# Allegro board FH8856v300_APP_BOARD_V1_PCB.brd (continued)
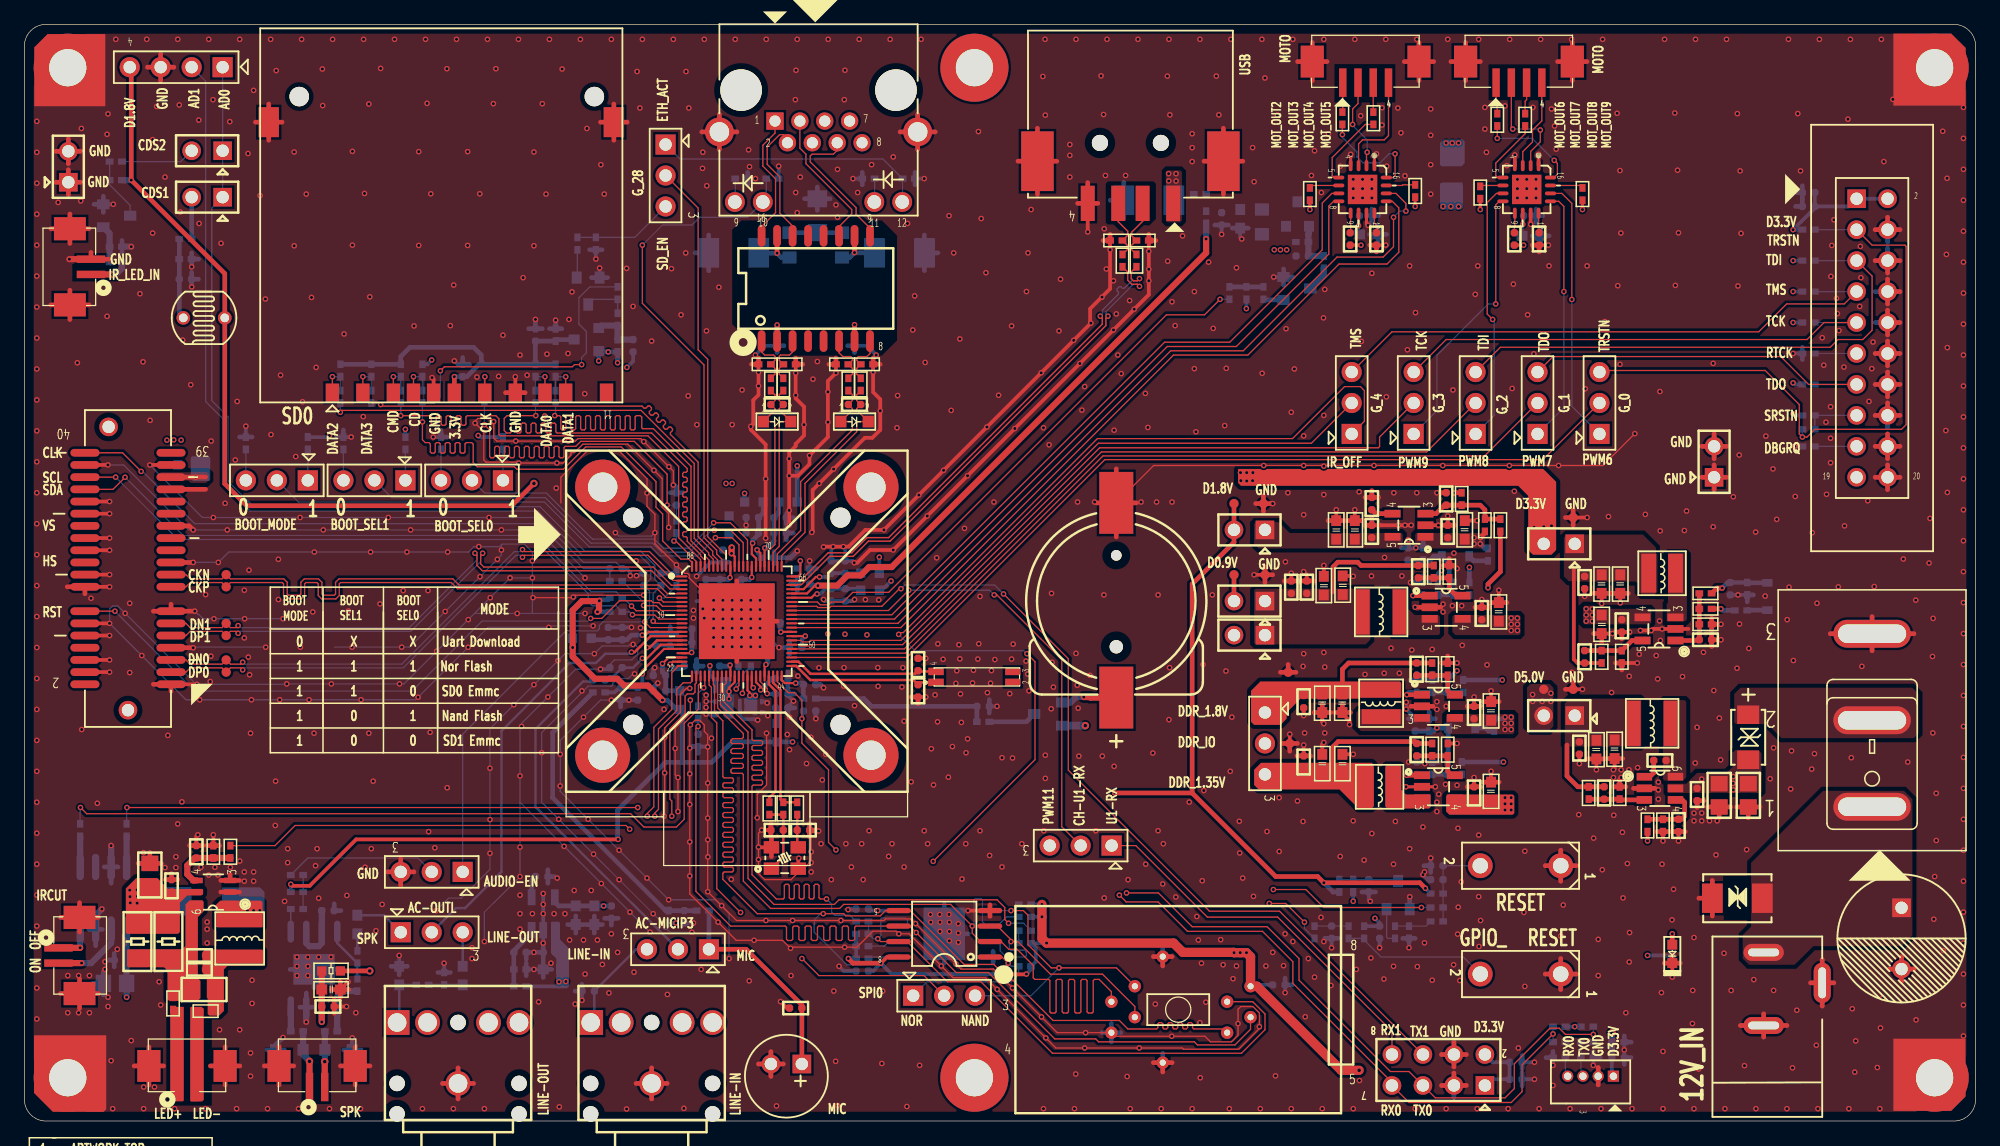
[diagram p0: board, top side]
## Placement (name value [footprint] x y rotation side) (continued)
T15  Mark Point  [C220D120]  156.64 3.56 0 top
T16  Mark Point  [C220D120]  77.9 3.56 0 top
T17  -  [TP30]  103.63 28.45 270 top
T18  -  [TP30]  103.76 30.99 270 top
T19  -  [TP30]  16.55 36.84 90 top
T20  -  [TP30]  16.55 37.84 90 top
T21  -  [TP30]  16.55 39.84 90 top
T22  -  [TP30]  16.55 40.84 90 top
T23  -  [TP30]  16.55 43.84 90 top
T24  -  [TP30]  16.55 44.84 90 top
U1  SY8120B  [SOT23_6]  134.11 27.3 270 top
U2  SY8088AAC  [SOT23_5]  134.04 40.39 90 top
U3  TPS79318DBVR  [SOT23_5]  113.54 48.9 90 top
U4  SY8088AAC  [SOT23_5]  115.95 34.04 270 top
U5  SY8089AAC  [SOT23_5]  116.59 42.16 270 top
U6  Nand Flash Socket  [SOP8_SPI_SOCKET-267X17]  94.61 9.14 0 top
U7  SX32Y024000B91T-U_24MHz 9PF 10ppm  [CRSTALY_3225]  62.36 21.59 0 top
U8  Q13MC1461000600/32.768kHz  [MC-146]  78.11 36.45 0 top
U9  GD25Q127CSIG/W25Q128JVSIQ  [SO8_200MIL]  75.43 15.37 180 top
U10  GD5F1GQ4UCYIG/W25N01GVZEIG  [SOP8-NANDFLASH]  75.43 15.37 180 bottom
U11  TPS79318DBVR  [SOT23_5]  42.55 17.02 180 bottom
U12  SY8088AAC  [SOT23_5]  115.95 27.43 270 top
U13  SGM4871YPS8/TR  [SOIC8-SGM4871]  23.75 12.45 270 bottom
U14  FH8852v101  [QFN88_HL_SOCKET]  58.42 41.02 0 top
U15  CON2x4-254MM  [DIP4X2_254MM]  119.76 2.92 180 top
U16  SY8703  [TSOT23-6]  15.49 18.8 90 top
U18  CON2x10-254MM  [DIP10X2_254MM]  150.24 75.69 0 top
U19  AZ6208BM  [SOP8_127-620X500]  6.48 18.29 90 bottom
U22  MAX809SN160T1/SGM809-RXN3L/TR  [SOT23]  112.65 18.54 180 bottom
U23  H1102NLT  [SOP16_270_50]  64.9 68.33 0 top
U26  HR8833SQ  [QFN16_HR8833]  109.73 76.45 270 top
U27  HR8833SQ  [QFN16_HR8833]  123.19 76.45 270 top

## Library data of the parts
BT1 = BATTERY_0: User Part Number: HAMP; Tolerance: #TOL
C1 C2 C7 C8 C10 C13 C16 C18 C20 C23 C39-C44 = CAP0402: signal model: DEFAULT_CAPACITOR_100000pF_2_1
C3 = ECAP-DIP: signal model: DEFAULT_CAPACITOR_100000pF_2_1
C4 = CAP0805: signal model: DEFAULT_CAPACITOR_100000pF_2_1
C5 = CAP0805: signal model: DEFAULT_CAPACITOR_1000pF_2_1
C6 C11 C17 = CAP0603: signal model: DEFAULT_CAPACITOR_1000pF_2_1
C9 = CAP0603: signal model: DEFAULT_CAPACITOR_1e+006pF_2_1
C12 = CAP0402: signal model: DEFAULT_CAPACITOR_1000pF_2_1
C14 C15 C19 C25 C28 C29 C34 C37 C38 C64 C67 C68 C71 C73 C107 C110 C111 C146 C147 C159 C181 C185 = CAP0603
C21 = CAP0603: signal model: DEFAULT_CAPACITOR_100000pF_2_1
C22 C26 C27 C30-C33 C35 C36 C46-C56 C59-C63 C65 C66 C69 C70 C72 C74 C75 C77-C83 C85-C93 C95-C97 C99-C104 C106 C108 C109 C112-C115 C118 C119 C122-C125 C135 C148-C151 C153-C155 C158 C160-C165 C167 C177 C178 C182-C184 C186-C188 C190 C191 C194-C196 = CAP0402
C24 C45 = CAP0402: signal model: DEFAULT_CAPACITOR_1e+006pF_2_1
C57 C58 C98 C116 C117 C120 C121 = CAP0201: Tolerance: TOLERANCE; User Part Number: USERPART#
C94 C105 C152 = CAP0805
C166 = CAP1206
CN1 CN5 = PHONE
D1 D4 D5 D11 = DIODE
D2 D7-D10 D13-D25 D32 = TVS
D3 = LED0603
D6 = SBD
D12 = LED
D26 = Diode
J1 = DC JACK: User Part Number: HAMP; Tolerance: #TOL
J2 = POWER SWITCH
J3 = MEC1-120-02-F-D-LC: signal model: MAC_MAC
J4 = SD: signal model: SIP4X1_S1X4_254MM
J5 J7 J13 J15 = CONNECT2_125MM
J6 = MIC IN
J12 = CONNECT4_125MM_DIP
J14 = CON4-254MM
J17 = RJ45_LED
J19 J20 = CONNECT4_125MM
J21 = USB-A
JP1-JP4 JP7 JP9-JP12 JP14 JP17 JP19 JP20 JP22 JP23 = JUMP SWITCH
JP5 JP6 JP8 JP13 JP15 JP16 JP18 JP29 JP30 = JUMP
L1-L5 = INDUCTOR
L6 = Inductor
MQ1 MQ3 = AF2301P
Q1 Q3 Q4 = NPN
R1-R3 R19 R21 R23 R38 R42 R44 R45 R54 R55 R73 R74 R78 R80 R81 R84-R90 R93 R94 R98 R99 R101 R104 R105 R107 R108 R111 R122 R124 R125 R127 R132 R134-R139 R142 R144 R145 R159 R163-R165 R168 R176 R179 R207 R211 RF1 RF2 RR2 RR3 = RES0402
R4-R15 R17 R20 R24 R25 R37 R39 R51 R58 R72 R75 R103 R130 R140 R141 R146 R147 R150-R153 R158 R160 R162 R166 R167 R169-R173 R208 R209 = RES0402: signal model: R0603-__0R_1_R0402_22R_22R
R16 R18 R22 R26 R27 R47 R161 = RES0402: signal model: R0603
R28 = RES0603: signal model: R0603
R29 R30 = RES0603: signal model: DEFAULT-sd
R31 = RES0402: signal model: DEFAULT_RESISTOR_47000OHM_2_1
R32 = RES0603: signal model: DEFAULT_RESISTOR_47000OHM_2_1
R33 R41 R68-R71 R77 R79 R143 R203 R204 = RES0402: signal model: DEFAULT
R34 R35 R43 R46 R59-R64 R67 R106 = RES0402: signal model: DEFAULT-sd
R36 = RES0603: signal model: DEFAUL
R40 R48 R49 R52 R76 R102 R129 R131 R133 = RES0402: signal model: RES_R0402_22R_22R
R50 = RES0603: signal model: RES_R0402_22R_22R
R53 = RES0402: signal model: R_0603_0_R0402_DISCRETE_22R_22R
R56 R57 = RES0402: signal model: R_0603_0_R0402_DISCRETE_22_22
R65 R82 = RES0402: signal model: DEFAUL
R66 = RES0402: signal model: R_R0402_22/NC_22/NC
R83 R91 R96 R97 = RES0603
R92 R95 R157 = RES0805
R109 R110 R210 = RES1206: Tolerance: #TOL; User Part Number: HAMP
R174 R177 R178 R181 = RES0402: signal model: RES0402_R0402_10R_1%_10R_1%
S1 S2 = KEY-2PIN
T1-T10 T17-T24 = TP-D1MM
T11-T16 = MARK
U1 = DC-DC-SY8120B: signal model: CON38_0_FPC-S1A36-05MM_CON38_CON38
U2 = DC-DC-SY8088AAC: signal model: FH81_BGA161_SOCKET_FH8810_FH8810
U3 = TPS793XX: signal model: AXK5S80347YG_SOCKET_ASP80_05MM__AXK5S80347YG_Socket
U4 U5 U12 = DC-DC-SY8088AAC
U6 = NAND FLASH_1
U7 = TSX-3225
U8 = MC146
U9 = NOR FLASH: signal model: RTL8169S_1_QFN32_RTL8201F(E)-(V_RTL8201F(E)-(VC)-CG
U10 = NAND FLASH
U11 = TPS793XX
U13 = SGM4871
U14 = FH8852v200_1
U15 = CON2X4-254MM: User Part Number: HAMP; Tolerance: #TOL
U16 = SY8703_1
U18 = CON2X10-254MM
U19 = AZ6208BM: Tolerance: #TOL; User Part Number: HAMP
U22 = SGM809
U23 = H1102NLT
U26 U27 = HR8833

## Footprints (pads in the part's own frame, mm; a bottom-side part is the same pattern mirrored in y, then rotated)
BAT-22_8-10
  round 0.864 hole 1.118 unplated: (-3.75,0)
  round 1.092 hole 1.346 unplated: (3.75,0)
  rect 5.08x2.794 smd: 1(7.92,0) 2(-8.06,0)
C0201
  rect 0.279x0.432 smd: 1(-0.267,0) 2(0.267,0)
C220D120
  round 5.588 hole 3.048: 1(0,0)
C0402
  custom 0.6x0.6 smd: 1(-0.508,0) 2(0.508,0)
C0603
  rect 0.889x0.813 smd: 1(-0.762,0) 2(0.762,0)
C0805
  rect 1.27x1.397 smd: 1(-0.953,0) 2(0.953,0)
C1206
  rect 1.397x1.6 smd: 1(-1.397,0) 2(1.397,0)
CRSTALY_3225
  rect 1.27x1.016 smd: 1(-1.1,-0.875) 2(1.1,-0.875) 3(1.1,0.875) 4(-1.1,0.875)
D0402
  rect 0.635x0.508 smd: A(-0.508,0) K(0.508,0)
DC-3
  oval 3.302x1.397 hole 2.54x0.635: 1(0,0) 2(0,-6)
  oval 1.397x3.302 hole 0.635x2.54: 3(4.8,-2.5)
DE10MM-H16
  rect 1.524x1.524 hole 1.016: 1(-2.515,0)
  round 1.524 hole 1.016: 2(2.515,0)
DIP4X2_254MM
  rect 1.524x1.524 hole 1.016: 1(0,0)
  round 1.524 hole 1.016: 2(0,-2.54) 3(2.54,0) 4(2.54,-2.54) 5(5.08,0) 6(5.08,-2.54) 7(7.62,0) 8(7.62,-2.54)
DIP10X2_254MM
  rect 1.524x1.524 hole 1.016: 1(0,0)
  round 1.524 hole 1.016: 2(2.54,0) 3(0,-2.54) 4(2.54,-2.54) 5(0,-5.08) 6(2.54,-5.08) 7(0,-7.62) 8(2.54,-7.62) 9(0,-10.16) 10(2.54,-10.16) 11(0,-12.7) 12(2.54,-12.7) 13(0,-15.24) 14(2.54,-15.24) 15(0,-17.78) 16(2.54,-17.78) 17(0,-20.32) 18(2.54,-20.32) 19(0,-22.86) 20(2.54,-22.86)
DO-214AA
  rect 1.702x2.413 smd: A(-2.05,0) K(2.05,0)
DO-214AC
  rect 1.524x1.803 smd: A(-1.85,0) K(1.85,0)
DO-214AC-IN5819
  rect 1.575x2.235 smd: A(-2.11,0) K(2.11,0)
GMI6027P-2C
  rect 1.524x1.524 hole 1.016: 1(-1.27,-1)
  round 1.524 hole 1.016: 2(1.27,-1)
HEADER2_125MM_SMD
  rect 0.61x2.337 smd: 1(-0.625,0.381) 2(0.625,0.381)
  rect 1.905x2.616 smd: CG1(-3.125,2.11) CG2(3.125,2.11)
HEADER4_125MM
  rect 0.914x0.914 hole 0.61: 1(0,0)
  round 0.914 hole 0.61: 2(0,-1.25) 3(0,-2.5) 4(0,-3.75)
HEADER4_125MM_SMD
  rect 0.61x2.337 smd: 1(-1.875,0.381) 2(-0.625,0.381) 3(0.625,0.381) 4(1.875,0.381)
  rect 1.905x2.616 smd: CG1(-4.375,2.11) CG2(4.375,2.11)
HEADER20X2_1MM_SMD
  round 1.524 hole 1.016: (0,11.622) (1.588,-11.623)
  oval 2.388x0.635 smd: 1(-3.53,9.5) 2(3.53,9.5) 3(-3.53,8.5) 4(3.53,8.5) 5(-3.53,7.5) 6(3.53,7.5) 7(-3.53,6.5) 8(3.53,6.5) 9(-3.53,5.5) 10(3.53,5.5) 11(-3.53,4.5) 12(3.53,4.5) 13(-3.53,3.5) 14(3.53,3.5) 17(-3.53,1.5) 18(3.53,1.5) 19(-3.53,0.5) 20(3.53,0.5) 21(-3.53,-0.5) 22(3.53,-0.5) 23(-3.53,-1.5) 24(3.53,-1.5) 25(-3.53,-2.5) 26(3.53,-2.5) 27(-3.53,-3.5) 28(3.53,-3.5) 29(-3.53,-4.5) 30(3.53,-4.5) 31(-3.53,-5.5) 32(3.53,-5.5) 33(-3.53,-6.5) 34(3.53,-6.5) 35(-3.53,-7.5) 36(3.53,-7.5) 37(-3.53,-8.5) 38(3.53,-8.5) 39(-3.53,-9.5) 40(3.53,-9.5)
KEY_2PIN
  round 2.032 hole 1.27: 1(0,3.3) 2(0,-3.3)
L3X3H15
  rect 1.219x3.2 smd: 1(-1.1,0) 2(1.1,0)
L4X4H3
  rect 1.118x3.708 smd: 1(-1.5,0) 2(1.5,0)
LED0603
  rect 0.813x0.813 smd: A(-0.756,0) K(0.756,0)
MC-146
  rect 1.27x0.61 smd: 1(-3.35,-0.45) 2(2.95,-0.45) 3(2.95,0.45) 4(-3.35,0.45)
PHONE_JACK
  round 1.27 hole 1.27 unplated: (-5,5) (-5,2.5) (0,-2.5) (5,5) (5,2.5)
  rect 2.032x2.032 hole 1.524: 1(5,-2.5)
  round 2.032 hole 1.524: 2(2.5,-2.5) 3(-2.5,-2.5) 4(-5,-2.5) 5(0,2.5)
PROCONN_SD
  round 1.601 hole 1.6 unplated: (0,0) (24.2,0)
  rect 1.1x1.5 smd: 1(21.48,24.3) 2(18.98,24.3) 3(16.48,24.3) 4(14.83,24.3) 5(13.18,24.3) 6(11.48,24.3) 7(8.98,24.3) 8(6.48,24.3) 9(4.05,24.3) 10(2.35,24.3) 11(-1,24.3)
  rect 1.676x2.464 smd: 15(-1.6,2.1) 16(26.7,2.1)
PS_3PIN-7MM
  oval 6.35x2.286 hole 5.588x1.524: 1(0,7.1) 2(0,0) 3(0,-7.1)
QFN16_HR8833
  oval 0.914x0.305 smd: 1(-1.95,0.975) 2(-1.95,0.325) 3(-1.95,-0.325) 4(-1.95,-0.975) 9(1.95,-0.975) 10(1.95,-0.325) 11(1.95,0.325) 12(1.95,0.975)
  oval 0.305x0.914 smd: 5(-0.975,-1.95) 6(-0.325,-1.95) 7(0.325,-1.95) 8(0.975,-1.95) 13(0.975,1.95) 14(0.325,1.95) 15(-0.325,1.95) 16(-0.975,1.95)
  rect 2.413x2.413 smd: 17(0,0)
QFN88_HL_SOCKET
  round 4.521 hole 2.413: (-11,11) (-11,-11) (11,11) (11,-11)
  round 1.651 hole 1.651 unplated: (-8.5,8.5) (-8.5,-8.5) (8.5,8.5) (8.5,-8.5)
  oval 0.914x0.178 smd: 1(-4.5,3.675) 2(-4.5,3.325) 3(-4.5,2.975) 4(-4.5,2.625) 5(-4.5,2.275) 6(-4.5,1.925) 7(-4.5,1.575) 8(-4.5,1.225) 9(-4.5,0.875) 10(-4.5,0.525) 11(-4.5,0.175) 12(-4.5,-0.175) 13(-4.5,-0.525) 14(-4.5,-0.875) 15(-4.5,-1.225) 16(-4.5,-1.575) 17(-4.5,-1.925) 18(-4.5,-2.275) 19(-4.5,-2.625) 20(-4.5,-2.975) 21(-4.5,-3.325) 22(-4.5,-3.675) 45(4.5,-3.675) 46(4.5,-3.325) 47(4.5,-2.975) 48(4.5,-2.625) 49(4.5,-2.275) 50(4.5,-1.925) 51(4.5,-1.575) 52(4.5,-1.225) 53(4.5,-0.875) 54(4.5,-0.525) 55(4.5,-0.175) 56(4.5,0.175) 57(4.5,0.525) 58(4.5,0.875) 59(4.5,1.225) 60(4.5,1.575) 61(4.5,1.925) 62(4.5,2.275) 63(4.5,2.625) 64(4.5,2.975) 65(4.5,3.325) 66(4.5,3.675)
  oval 0.178x0.914 smd: 23(-3.675,-4.5) 24(-3.325,-4.5) 25(-2.975,-4.5) 26(-2.625,-4.5) 27(-2.275,-4.5) 28(-1.925,-4.5) 29(-1.575,-4.5) 30(-1.225,-4.5) 31(-0.875,-4.5) 32(-0.525,-4.5) 33(-0.175,-4.5) 34(0.175,-4.5) 35(0.525,-4.5) 36(0.875,-4.5) 37(1.225,-4.5) 38(1.575,-4.5) 39(1.925,-4.5) 40(2.275,-4.5) 41(2.625,-4.5) 42(2.975,-4.5) 43(3.325,-4.5) 44(3.675,-4.5) 67(3.675,4.5) 68(3.325,4.5) 69(2.975,4.5) 70(2.625,4.5) 71(2.275,4.5) 72(1.925,4.5) 73(1.575,4.5) 74(1.225,4.5) 75(0.875,4.5) 76(0.525,4.5) 77(0.175,4.5) 78(-0.175,4.5) 79(-0.525,4.5) 80(-0.875,4.5) 81(-1.225,4.5) 82(-1.575,4.5) 83(-1.925,4.5) 84(-2.275,4.5) 85(-2.625,4.5) 86(-2.975,4.5) 87(-3.325,4.5) 88(-3.675,4.5)
  rect 6.223x6.223 smd: 89(0,0)
R0402
  rect 0.635x0.508 smd: 1(-0.508,0) 2(0.508,0)
R0603
  rect 0.762x0.762 smd: 1(-0.762,0) 2(0.762,0)
R0805
  rect 1.016x1.143 smd: 1(-1.016,0) 2(1.016,0)
R1206
  rect 1.397x1.651 smd: 1(-1.397,0) 2(1.397,0)
RGL55
  round 1.118 hole 0.711: A(-1.7,0) K(1.7,0)
RJ45_LED-1
  round 3.404 hole 3.404 unplated: (-2.78,2.54) (9.92,2.54)
  rect 1.422x1.422 hole 0.914: 1(0,0)
  round 1.422 hole 0.914: 2(1.02,-1.78) 3(2.04,0) 4(3.06,-1.78) 5(4.08,0) 6(5.1,-1.78) 7(6.12,0) 8(7.14,-1.78)
  round 1.626 hole 1.118: 9(-3.29,-6.64) 10(-1,-6.64) 11(8.14,-6.64) 12(10.43,-6.64)
  round 2.362 hole 1.6: 13(-4.56,-0.89) 14(11.7,-0.89)
SIP2_254MM
  rect 1.524x1.524 hole 1.016: 1(0,0)
  round 1.524 hole 1.016: 2(2.54,0)
SIP3_254MM
  rect 1.651x1.651 hole 1.016: 1(0,0)
  round 1.651 hole 1.016: 2(2.54,0) 3(5.08,0)
SIP4_254MM
  rect 1.651x1.651 hole 1.016: 1(0,0)
  round 1.651 hole 1.016: 2(2.54,0) 3(5.08,0) 4(7.62,0)
SO8_200MIL
  oval 2.007x0.432 smd: 1(-3.75,1.905) 2(-3.75,0.635) 3(-3.75,-0.635) 4(-3.75,-1.905) 5(3.75,-1.905) 6(3.75,-0.635) 7(3.75,0.635) 8(3.75,1.905)
SOD323
  rect 0.914x0.965 smd: A(-1.125,0) K(1.125,0)
SOD-323
  rect 0.635x0.838 smd: A(1.118,0) K(-1.118,0)
SOIC8-SGM4871
  oval 1.803x0.533 smd: 1(-3.1,1.905) 2(-3.1,0.635) 3(-3.1,-0.635) 4(-3.1,-1.905) 5(3.1,-1.905) 6(3.1,-0.635) 7(3.1,0.635) 8(3.1,1.905)
  rect 2.515x3.404 smd: 9(0,0)
SOP8-NANDFLASH
  oval 1.219x0.406 smd: 1(-4,1.905) 2(-4,0.635) 3(-4,-0.635) 4(-4,-1.905) 5(4,-1.905) 6(4,-0.635) 7(4,0.635) 8(4,1.905)
  rect 3.404x4.318 smd: 9(0,0)
SOP8_127-620X500
  oval 2.159x0.61 smd: 1(-2.565,1.905) 2(-2.565,0.635) 3(-2.565,-0.635) 4(-2.565,-1.905) 5(2.565,-1.905) 6(2.565,-0.635) 7(2.565,0.635) 8(2.565,1.905)
SOP8_SPI_SOCKET-267X17
  round 1.016 hole 0.508: 1(-3.56,1.92) 2(-5.48,0.65) 3(-3.56,-0.62) 4(-5.48,-1.89) 5(4.01,-1.89) 6(5.93,-0.62) 7(4.01,0.65) 8(5.93,1.92) 9(-1.27,4.35) 10(-1.27,-4.35)
SOP16_270_50
  oval 0.635x1.778 smd: 1(-4.445,-4.318) 2(-3.175,-4.318) 3(-1.905,-4.318) 4(-0.635,-4.318) 5(0.635,-4.318) 6(1.905,-4.318) 7(3.175,-4.318) 8(4.445,-4.318) 9(4.445,4.318) 10(3.175,4.318) 11(1.905,4.318) 12(0.635,4.318) 13(-0.635,4.318) 14(-1.905,4.318) 15(-3.175,4.318) 16(-4.445,4.318)
SOT23
  rect 0.813x1.016 smd: 1(-0.95,-1.15) 2(0.95,-1.15) 3(0,1.15)
SOT23_2
  rect 0.813x1.016 smd: 1(0.94,1.145) 2(-0.94,1.145) 3(0,-1.055)
SOT23_5
  rect 0.635x1.321 smd: 1(-0.95,-1.35) 2(0,-1.35) 3(0.95,-1.35) 4(0.95,1.35) 5(-0.95,1.35)
SOT23_6
  rect 0.635x1.27 smd: 1(-0.95,-1.275) 2(0,-1.275) 3(0.95,-1.275) 4(0.95,1.275) 5(0,1.275) 6(-0.95,1.275)
SOT_23
  rect 0.813x0.889 smd: 1(0.94,2.007) 2(-0.94,2.007) 3(0,0)
TP30
  round 0.762 smd: 1(0,0)
TSOT23-6
  rect 0.457x1.016 smd: 1(-0.95,-1.375) 2(0,-1.375) 3(0.95,-1.375) 4(0.95,1.375) 5(0,1.375) 6(-0.95,1.375)
USBX1_SMD
  round 1.321 hole 1.321 unplated: (-1.5,-4.96) (3.5,-4.96)
  rect 1.143x2.896 smd: 1(-2.5,0) 2(0,0) 3(2,0) 4(4.5,0)
  rect 2.667x4.902 smd: CG1(-6.625,-3.46) CG2(8.625,-3.46)

## Nets
D0.9V: C61.1 C88.1 C89.1 C90.1 C91.1 C92.1 C93.1 C191.1 JP15.2 JP16.2 T9.1 U14.19(VDDK_3) U14.32(VDDK_4) U14.40(VDDK_2) U14.53(VDDK_0) U14.74(VDDK_5) U14.79(VDDK_1)
D1.8V: D12.A J14.4 JP18.2 R29.1 R30.2 R32.2 R34.1 R35.1 R36.1 R60.2 R97.2 R131.2 R168.2 R169.1 T4.1
D3.3V: C60.1 C96.1 C100.2 C101.1 C148.1 C150.2 C151.1 C160.1 C194.1 C195.2 D6.2(C2) D8.A J12.1 JP13.2 MQ1.2(SOURCE) R28.2 R42.2 R45.2 R47.2 R52.1 R53.1 R54.2 R55.1 R56.2 R57.2 R59.1 R73.2 R81.1 R83.2 R96.2 R122.2 R124.2 R135.2 R136.2 R137.2 R138.2 R140.2 R141.2 R161.2 R164.1 R167.1 T3.1 U6.8(VCC) U9.8(VCC) U10.8(VCC) U15.1 U15.2 U18.1 U18.2
D5.0V: C11.2 C12.2 C17.2 C18.2 C25.2 C26.2 C34.2 C35.2 C64.2 C65.2 C99.1 C107.2 C109.2 JP8.2 MQ3.2(SOURCE) R7.1 R10.1 R15.1 R18.1 R21.1 R24.1 R44.1 R50.1 R86.1 R91.2 R105.1 R157.1 R159.2 R210.1 T1.1 U2.4(VIN) U3.1(VIN) U4.4(VIN) U5.4(VIN) U11.1(VIN) U12.4(VIN)
D12V: C2.1 C4.1 C5.1 C105.1 C106.1 C152.1 C153.1 D1.K D26.K R1.2 R2.1 R109.1 R110.1 U1.5(VIN) U16.5(IN) U19.1(VCC)
GND: BT1.2(-) C2.2 C3.2 C4.2 C5.2 C6.2 C7.2 C9.2 C10.1 C11.1 C12.1 C14.2 C15.2 C16.2 C17.1 C18.1 C19.2 C20.1 C21.2 C22.2 C23.1 C24.2 C25.1 C26.1 C28.2 C29.2 C30.2 C31.1 C32.2 C33.2 C34.1 C35.1 C37.2 C38.2 C39.2 C40.2 C41.1 C42.2 C43.2 C44.2 C45.1 C46.1 C47.1 C48.2 C49.2 C50.1 C51.2 C52.1 C53.2 C54.2 C55.2 C57.2 C58.2 C59.1 C60.2 C61.2 C62.2 C63.1 C64.1 C65.1 C67.2 C68.2 C69.2 C70.1 C71.1 C72.1 C74.2 C75.2 C77.1 C78.1 C79.1 C80.1 C81.1 C82.1 C83.1 C85.1 C87.2 C88.2 C89.2 C90.2 C91.2 C92.2 C93.2 C97.2 C98.2 C100.1 C101.2 C102.2 C103.2 C104.2 C105.2 C106.2 C107.1 C108.2 C109.1 C110.2 C111.2 C112.2 C113.2 C114.2 C115.2 C116.2 C117.2 C118.1 C119.2 C120.2 C121.2 C122.2 C123.2 C124.2 C125.2 C135.2 C147.2 C148.2 C149.2 C150.1 C151.2 C152.2 C153.2 C158.2 C159.2 C160.2 C161.2 C162.2 C163.2 C164.2 C165.2 C166.1 C167.2 C177.2 C178.2 C181.1 C183.1 C184.1 C185.1 C186.2 C188.2 C190.1 C191.2 C194.2 C195.1 C196.1 CN1.5 CN5.5 D2.A D3.K D7.K D8.K D9.A D10.A D13.K D14.A D15.A D16.A D17.A D18.K D19.A D21.K D22.K D23.A D24.K D25.A J1.2 J1.3 J2.3 J3.1 J3.4 J3.6 J3.7 J3.10 J3.12 J3.13 J3.18 J3.20 J3.21 J3.24 J3.26 J3.27 J3.30 J3.32 J3.33 J3.37 J3.38 J4.5(GND2) J4.8(GND1) J4.15(GND3) J4.16(GND4) J5.CG1 J5.CG2 J6.2 J7.CG1 J7.CG2 J12.2 J13.2 J13.CG1 J13.CG2 J14.3 J15.CG1 J15.CG2 J17.13(SOLDER1) J17.14(SOLDER2) J19.CG1 J19.CG2 J20.CG1 J20.CG2 J21.4(GND) J21.CG1 J21.CG2 JP5.1 JP5.2 JP6.1 JP6.2 JP20.3 Q1.2(E) Q3.2(E) Q4.2(E) R4.1 R5.1 R8.1 R9.1 R11.1 R16.1 R17.1 R19.2 R22.2 R25.1 R26.1 R31.2 R38.1 R43.2 R46.2 R48.2 R49.2 R74.1 R80.2 R84.2 R87.1 R88.1 R104.2 R106.1 R132.1 R134.2 R139.2 R142.2 R173.1 R176.1 R179.1 RF2.1 RR2.1 RR3.1 S1.1 S2.1 T2.1 T5.1 T6.1 T8.1 T10.1 T11.1 T12.1 T13.1 T14.1 T15.1 T16.1 T18.1 U1.2(GND) U2.2(GND) U3.2(GND) U4.2(GND) U5.2(GND) U6.4(GND) U6.9(PAD1) U6.10(PAD2) U7.2 U7.4 U9.4(GND) U10.4(GND) U10.9(PAD) U11.2(GND) U12.2(GND) U13.7(GND) U13.9(PAD) U14.37(GNDA_PLL) U14.89(GND_PAD) U15.3 U15.4 U16.2(GND) U16.3(TM) U18.4 U18.6 U18.8 U18.10 U18.12 U18.14 U18.16 U18.18 U18.20 U19.3(GND#3) U19.7(GND#7) U22.1(GND) U26.1(AISEN) U26.4(BISEN) U26.11(GND) U26.17(PAD) U27.1(AISEN) U27.4(BISEN) U27.11(GND) U27.17(PAD)
VBUS: D17.K J21.1(VCC) R160.2
AC_MICBIAS: C114.1 C135.1 R107.2 U14.18(AC_MICBIAS)
AC_MICIP: C56.2 JP17.2
AC_OUTL: JP23.2 U14.15(AC_OUTL)
AMP+: R94.1 R98.2 U13.5(VO1)
AMP-: R90.1 U13.8(VO2)
ARM_DBGRQ: R142.1 U18.17
ARM_JTAG_TCK: JP9.3 R138.1 U18.9
ARM_JTAG_TDI: JP7.3 R136.1 U18.5
ARM_JTAG_TDO: JP12.3 R140.1 U18.13
ARM_JTAG_TMS: JP10.3 R137.1 U18.7
ARM_JTAG_TRSTN: JP11.3 R135.1 R143.1 U18.3
BOOT_MODE: JP1.2 U14.77(BOOT_MODE/GPIO30)
BOOT_SEL0: JP3.2 U14.75(BOOT_SEL0/GPIO32)
BOOT_SEL1: JP2.2 U14.76(BOOT_SEL1/GPIO31)
CDS1: JP29.2 R129.2
CDS2: JP30.2 R130.1
CH_UART1_RX: JP22.2 U14.58(UART1_RX)
CIS_CLK: C52.2 J3.40 R33.1
CIS_RSTN: J3.14 U14.8(SENSOR_RSTN/GPIO13)
CIS_SCL: J3.36 R34.2 U14.11(I2C0_SCL/GPIO35)
CIS_SDA: J3.34 R35.2 U14.10(I2C0_SDA/GPIO36)
CLK_IN: R39.2 U14.41(CLK_IN)
CLK_OUT: R40.1 R41.2 U14.42(CLK_OUT)
DDR_D1.8V: C27.1 C28.1 C29.1 C30.1 JP19.1 L3.2 R14.2 T7.1
DDR_D1.35V: C66.1 C67.1 C68.1 C69.1 JP19.3 L5.2 R85.2 T17.1
DDR_IO: C48.1 C57.1 C58.1 C98.1 C116.1 C117.1 C120.1 C121.1 JP19.2 U14.33(VDDIO_DDR_18_0) U14.36(VDDIO_DDR_18_1)
E0_CT1: C165.1 U23.2(CT1)
E0_CT2: C167.1 U23.7(CT2)
EN1: C32.1 D4.K R13.1 R19.1 R20.1 R89.1
EN2: C62.1 D11.K R12.1 R84.1
EN3: C33.1 D5.K R22.1 R27.1
EPHY_RXN: C155.2 D32.K R181.2 U14.67(EPHY_RXN)
EPHY_RXP: C155.1 D32.A R178.2 U14.68(EPHY_RXP)
EPHY_TXN: C154.2 D20.K R177.2 U14.69(EPHY_TXN)
EPHY_TXP: C154.1 D20.A R174.2 U14.70(EPHY_TXP)
ETH_ACT: D19.K J17.12(LEDY+) JP4.1
ETH_STA: D23.K J17.10(LEDR+) U14.81(GPIO_29)
GPIO_0: JP11.2 U14.47(GPIO_0)
GPIO_1: JP12.2 U14.48(GPIO_1)
GPIO_2: JP7.2 U14.49(GPIO_2)
GPIO_3: JP9.2 U14.50(GPIO_3)
GPIO_4: JP10.2 U14.51(GPIO_4)
GPIO_28: JP4.2 U14.80(GPIO_28)
GPIO_RESET: R166.2 U14.24(PWM_1)
HOLD: R54.1 R58.1 U6.7(IO3/HOLD) U9.7(/HOLD/IO3) U10.7(IO3/HOLD)
IR_LED_IN: J13.1 R133.2
IRCUT_OFF: JP10.1 R144.2
IRCUT_ON: R145.2 U14.25(PWM_0)
IRCUT_OUT_OFF: J15.1 U19.4(OUT A)
IRCUT_OUT_ON: J15.2 U19.2(OUT B)
IRLED+: J7.1 R99.2
IRLED-: J7.2 R111.2
JTAG_RTCK: R139.1 U18.11
JTAG_SRSTN: R141.1 R143.2 U18.15
LDO_MICBIAS: C110.1 C111.1 C112.1 R103.2 U11.5(VOUT)
MIPI_CKN: J3.19 T24.1 U14.5(MIPI_CKN)
MIPI_CKP: J3.17 T23.1 U14.6(MIPI_CKP)
MIPI_D5.0V: J3.35 R50.2
MIPI_DN0: J3.5 T20.1 U14.1(MIPI_DN0)
MIPI_DN1: J3.11 T22.1 U14.4(MIPI_DN1)
MIPI_DP0: J3.3 T19.1 U14.2(MIPI_DP0)
MIPI_DP1: J3.9 T21.1 U14.3(MIPI_DP1)
MOTO_OUT_2: R150.1 U26.16(AOUT1)
MOTO_OUT_3: J19.2 U26.2(AOUT2)
MOTO_OUT_4: R151.1 U26.5(BOUT1)
MOTO_OUT_5: J19.4 U26.3(BOUT2)
MOTO_OUT_6: R152.1 U27.16(AOUT1)
MOTO_OUT_7: J20.2 U27.2(AOUT2)
MOTO_OUT_8: R153.1 U27.5(BOUT1)
MOTO_OUT_9: J20.4 U27.3(BOUT2)
NAND_CS: JP14.3 R59.2 U6.1(CS) U10.1(CS)
NOR_CS: JP14.1 R52.2 U9.1(/CS)
PHY_RN: J17.6(RX-) U23.9(RX-)
PHY_RP: J17.3(RX+) U23.11(RX+)
PHY_TN: J17.2(TX-) U23.14(TX-)
PHY_TP: J17.1(TX+) U23.16(TX+)
PWM11: JP22.3 R108.1
PWM_2: U14.55(I2C1_SCL) U26.14(AIN1)
PWM_3: U14.54(I2C1_SDA) U26.13(AIN2)
PWM_4: U14.57(UART2_TX) U26.7(BIN1)
PWM_5: U14.56(UART2_RX) U26.8(BIN2)
PWM_6: JP11.1 U27.14(AIN1)
PWM_7: JP12.1 U27.13(AIN2)
PWM_8: JP7.1 U27.7(BIN1)
PWM_9: JP9.1 U27.8(BIN2)
RESETN: C190.2 R172.2 U14.43(RESETN)
RTC_VBAT: C102.1 R37.1 R61.1
RTC_XIN: C79.2 U8.1 U14.45(RTC_XIN)
RTC_XOUT: C81.2 U8.4 U14.46(RTC_XOUT)
SD0_3.3V: C103.1 C104.1 J4.6(VCC) MQ1.3(DRAIN) R64.1 R65.1 R66.1 R67.1 R74.2 R82.1
SD0_CD: R75.1 R77.1 U14.88(SD0_CD)
SD0_CLK: C178.1 R72.1 R204.1
SD0_CMD: R79.1 U14.86(SD0_CMD_RSP)
SD0_DATA_0: R68.1 U14.85(SD0_DATA_0)
SD0_DATA_1: R69.1 U14.84(SD0_DATA_1)
SD0_DATA_2: R70.1 U14.83(SD0_DATA_2)
SD0_DATA_3: R71.1 U14.82(SD0_DATA_3)
SD0_EN: JP4.3 R78.1 R80.1
SPI0_CLK: C177.1 R56.1 R203.1 U6.6(CLK) U9.6(CLK) U10.6(CLK)
SPI0_CSN_0: JP14.2 U14.27(SSI0_CSN_0)
SPI0_D_2: R51.1 U14.30(SSI0_D2)
SPI0_D_3: R58.2 U14.31(SSI0_D3)
SPI0_RXD: R53.2 U6.2(SO/IO1/TXD) U9.2(SO/IO1/TXD) U10.2(SO/IO1/TXD) U14.29(SSI0_RXD)
SPI0_TXD: R57.1 U6.5(IO0/SI/RXD) U9.5(SI/IO0/RXD) U10.5(IO0/SI/RXD) U14.28(SSI0_TXD)
UART0_RX: R122.1 R127.1 U14.22(UART0_RX/GPIO34) U15.7
UART0_TX: R124.1 R125.1 U14.23(UART0_TX/GPIO33) U15.5
UART1_RX: JP22.1 U15.8
UART1_TX: U14.59(UART1_TX) U15.6
USB_DM: R146.1 U14.65(USB_DM)
USB_DP: R147.1 U14.64(USB_DP)
USB_PWREN: R162.1 U14.60(USB_PWREN)
USB_VBUS: C196.2 R158.2 U14.62(USB_VBUS)
USBN: D13.A J21.2(D-) R146.2
USBP: D14.K J21.3(D+) R147.2
VM: C181.2 C182.2 C183.2 C184.2 C185.2 C187.2 R207.1 R208.1 R209.1 R210.2 R211.1 U26.10(VM) U27.10(VM)
WP: R51.2 R55.2 U6.3(WP/IO2) U9.3(/WP/IO2) U10.3(WP/IO2)
XAIN0_SADC: C97.1 J14.1 JP29.1 JP30.1 U14.12(SADC_XAIN0/GPIO26)
XAIN1_SADC: C44.1 J14.2 JP20.1 U14.13(SADC_XAIN1/GPIO27)
N00509: C149.1 D12.K R129.1 R132.2
N00760: J4.9(DATA0) R67.2 R68.2
N00772: J4.10(DATA1) R66.2 R69.2
N00784: J4.1(DATA2) R65.2 R70.2
N00796: J4.2(DATA3) R64.2 R71.2
N00808: J4.7(CLK) R72.2
N00832: J4.4(CARD) R77.2 R81.2
N00844: J4.3(CMD) R79.2 R82.2
N04317: R144.1 U19.8(IN A)
N04321: R145.1 U19.5(IN B)
N04628: D9.K J12.4 R127.2
N04632: D10.K J12.3 R125.2
N05813: C146.2 RF1.1 RF2.2
N05817: C147.1 CN5.1 RF1.2
N06013: R164.2 R165.1 S1.2
N06017: C161.1 R165.2 R166.1
N06505: C163.1 C164.1 R168.1 R171.2 R172.1 S2.2
N06945: R170.2 R171.1 R173.2
N06949: R170.1 U22.2(/RESET)
N07170: C162.1 R167.2 R169.2 U22.3(VCC)
N07819: C158.1 C159.1 MQ3.3(DRAIN) R157.2 R158.1 R160.1
N08066: C3.1 D2.K J1.1 J2.1
N08150: D1.A J2.2
N08491: C99.2 MQ3.1(GATE) R101.2 R159.1
N08611: Q4.1(B) R163.2
N08717: R161.1 R162.2 R163.1
N08811: Q1.3(C) R75.2 R76.1
N09072: D3.A R1.1
N09124: C96.2 MQ1.1(GATE) R73.1 R76.2
N09603: C1.1 U1.1(BS)
N09840: C1.2 L1.1 U1.6(SW)
N09899: C6.1 C7.1 C8.1 C9.1 JP8.1 L1.2 R3.2
N09903: C8.2 R3.1 R5.2 U1.3(FB)
N11558: C20.2 R7.2 R8.2 R12.2 U2.1(EN)
N12312: L2.1 U2.3(LX)
N12324: C13.1 C14.1 C15.1 C16.1 JP13.1 L2.2 R6.2
N12328: C13.2 R6.1 R9.2 U2.5(FB)
N12968: Q3.1(B) R133.1 R134.1
N13141: Q3.3(C) R130.2 R131.1
N15061: C27.2 R14.1 R16.2 U4.5(FB)
N15235: C31.2 R15.2 R17.2 R20.2 U4.1(EN)
N15383: L3.1 U4.3(LX)
N17654: C36.2 R23.1 R26.2 U5.5(FB)
N17828: C41.2 R24.2 R25.2 R27.2 U5.1(EN)
N17960: L4.1 U5.3(LX)
N17964: C36.1 C37.1 C38.1 C39.1 C40.1 JP15.1 JP16.1 L4.2 R23.2
N20335: C23.2 R10.2 R11.2 R13.2 U3.3(EN)
N20515: C19.1 C21.1 C22.1 JP18.1 U3.5(VOUT)
N28498: C10.2 R2.2 R4.2 U1.4(EN)
N36801: C24.1 U3.4(NR)
N41621: D4.A R18.2
N41625: D5.A R21.2
N052210: Q1.1(B) R78.2
N58665: C113.1 R102.2 R103.1 R107.1
N58697: C108.1 J6.1 JP17.1 R102.1
N58961: C118.2 R105.2 R106.2 U11.3(EN)
N59213: C119.1 CN1.1 JP17.3
N59225: C115.1 U11.4(NR)
N071991: Q4.3(C) R101.1
N16425733: J17.9(LEDR-) R179.2
N16425793: J17.11(LEDY-) R176.2
N16425805: C166.2 R92.1 R95.1
N16425817: D24.A R181.1 U23.8(RD-)
N16425841: D22.A R178.1 U23.6(RD+)
N16425857: D21.A R177.1 U23.3(TD-)
N16425869: D18.A R174.1 U23.1(TD+)
N16426003: D15.K R92.2 U23.15(CT4)
N16426121: D16.K R95.2 U23.10(CT3)
N16457705: C82.2 C83.2 C85.2 R83.1 U14.21(VDDIO_18OD33_2) U14.52(VDDIO_18OD33_0) U14.78(VDDIO_18OD33_1)
N16486091: JP3.3 R48.1
N16486095: JP3.1 R47.1
N16486099: JP2.3 R46.1
N16486103: JP2.1 R45.1
N16486107: JP1.3 R43.1
N16486111: JP1.1 R42.1
N16486523: R49.1 U14.72(EPHY_REXT)
N16520538: D6.3(A) R61.2
N16520613: BT1.1(+) D6.1(C1)
N16568818: C187.1 U26.9(VCP)
N16568861: C186.1 U26.12(VINT)
N16569733: R209.2 U26.6(NFAULT)
N16569735: R211.2 U26.15(NSLEEP)
N16571206: C182.1 U27.9(VCP)
N16571226: C188.1 U27.12(VINT)
N16571270: R208.2 U27.6(NFAULT)
N16571274: R207.2 U27.15(NSLEEP)
N16589672: R203.2 U14.26(SSI0_CLK)
N16609598: R204.2 U14.87(SD0_CLK)
N16674187: J19.1 R150.2
N16674222: J19.3 R151.2
N16674257: J20.1 R152.2
N16674292: J20.3 R153.2
N16750026: C71.2 C72.2 R91.1 U13.6(V+)
N16750096: D7.A J5.1 R90.2
N16750100: D25.K J5.2 R94.2
N16750228: C59.2 U13.2(BYPASS) U13.3(+IN)
N16750268: R63.2 U13.1(SHDN)
N16750308: R60.1 R62.2 R63.1
N16750370: R93.2 R98.1 U13.4(-IN)
N16750378: C73.2 R93.1
N16750486: C146.1 JP23.3
N16751027: C73.1 JP23.1
N16751673: JP20.2 R62.1
N16764243: C87.1 R104.1 R108.2 U16.4(EN)
N16764537: C86.1 C94.1 C95.1 R99.1 R109.2 R110.2 U16.6(SEN)
N16764551: D26.A L6.1 U16.1(LX)
N16764573: C86.2 C94.2 C95.2 L6.2 R111.1
N16771686: D11.A R44.2
N16778150: C66.2 R85.1 R88.2 U12.5(FB)
N16778213: C70.2 R86.2 R87.2 R89.2 U12.1(EN)
N16778255: L5.1 U12.3(LX)
N16785770: R38.2 U14.7(MIPI_REXT)
N16786493: R33.2 U14.9(SENSOR_CLK/GPIO12)
N16786550: C47.2 C63.2 R36.2 U14.20(VDDIO_18)
N16786676: C45.2 C50.2 R29.2 U14.39(VDDA18_PLL)
N16786698: C46.2 U14.38(VDDA09_PLL)
N16789313: R31.1 U14.66(USB_REXT)
N16794051: C49.1 C51.1 R30.1 U14.61(VDDIO_18/VDDA18_USB)
N16794071: C42.1 C43.1 R28.1 U14.63(VDDA33_USB)
N16795142: C74.1 C75.1 U14.16(AC_VMID)
N16795478: C77.2 R37.2 U14.44(VDDA33_RTC)
N16795922: C78.2 R39.1 R40.2 U7.1
N16795926: C80.2 R41.1 U7.3
N16800878: C53.1 C54.1 R32.1 U14.14(VDDA18_AC/MIPI/SADC)
N16800900: C55.1 C56.1 U14.17(AC_MICIP)
N16803827: RR3.2 U14.34(DDR_ZQ)
N16803833: RR2.2 U14.35(DDR_CAL)
N16837752: C124.1 C125.1 R97.1 U14.73(VDDIO_18/VDDA18_EPHY)
N16837764: C122.1 C123.1 R96.1 U14.71(VDDA33_EPHY)

Pads without a net: CN1 2 3 4; CN5 2 3 4; J3 2 8 22 23 25 28 29 31 39; J4 11; J17 4 5 7 8; U8 2 3; U18 19; U19 6; U23 4 5 12 13

## Via types
v1: diameter 0.457, hole 0.254, TOP to BOTTOM, 1656 vias
v2: diameter 0.61, hole 0.305, TOP to BOTTOM, 7 vias

## Routing (per net, layer and track width the routed paths; a pad name or vN(x,y) marks a point on that pad's centre or on a via; arc(x,y) is an arc through that point)
D0.9V: length 14.9
  TOP w0.178: v1(54.71,38.46) 54.65,38.4 U14.19 ; v1(57.86,37.41) 57.89,37.38 U14.32 ; U14.40 60.7,37.35 v1(60.81,37.47) ; U14.74 v1(59.65,44.62) ; v1(57.86,44.6) 57.89,44.64 U14.79 ; v1(62.03,40.13) 62.04,40.15 U14.53
  TOP w0.381: T9.1 JP16.2
  BOTTOM w0.381: C191.1 57.78,37.34 v1(57.86,37.41) ; v1(60.81,37.47) 60.96,37.62 C91.1 ; v1(59.65,44.62) 59.47,44.45 C61.1 ; v1(57.86,44.6) 57.71,44.45 C90.1 C93.1 ; C92.1 61.98,40.18 v1(62.03,40.13) ; v1(54.71,38.46) 54.74,38.48 C88.1 C89.1
D1.8V: length 224.8
  TOP w0.305: v1(21.84,19.43) 21.97,19.3 23.39,19.3 27.2,23.11 v1(48.69,23.11)
  TOP w0.381: J14.4 8.76,86.36 v1(8.76,77.22) 16.43,69.55 D12.A 16.43,52.3 18.24,50.5 39.95,50.5 v2(41.78,52.32) ; v1(89.41,26.92) 95.76,26.92 95.76,26.92 ; 95.76,26.92 95.76,44.07 99.19,47.5 JP18.2 T4.1 ; 95.76,26.92 102.61,20.07 106.05,20.07 v1(106.55,19.56) 114.43,19.56 v1(114.88,19.1)
  TOP w0.508: 47.12,42.67 47.12,41.91 v1(46.99,41.78) ; 47.12,42.67 v1(47.14,42.7) ; 47.12,42.67 45.72,42.67 44.96,41.91 v1(44.96,38.86) 44.96,38.13 46.79,36.3 48.62,36.3 49.17,35.74 51.13,35.74 v1(52.32,34.54)
  VCC w0.381: v1(89.41,26.92) 72.26,26.92 71.88,26.54 67.89,26.54 63.32,31.11 v1(62.99,31.11)
  BOTTOM w0.305: v1(71.07,44.32) 70.31,43.56 R30.2 ; R60.2 v1(21.84,19.43) ; v1(114.88,19.1) R168.2
  BOTTOM w0.381: v1(52.32,34.54) 52.7,34.54 53.47,33.78 R36.1 53.98,33.53 53.98,29.57 53.85,29.44 ; R34.1 v1(46.99,41.78) ; v1(48.69,23.11) 48.64,23.16 48.64,25.52 52.56,29.44 53.85,29.44 ; 53.85,29.44 56.36,29.44 58.04,31.11 R29.1 v1(62.99,31.11) ; v1(47.14,42.7) 47.22,42.77 47.85,42.77 R35.1 ; v1(106.55,19.56) 107.31,18.8 R169.1 ; R32.2 v1(44.96,38.86) ; v1(59.05,51.51) R97.2
  BOTTOM w0.508: 8,77.22 v1(8.76,77.22)
D3.3V: length 246.5
  TOP w0.305: v1(70.23,12.95) 70.74,13.46 U9.8 ; v1(80.8,12.19) 80.95,12.04 82.14,12.04 v1(82.17,12.06)
  TOP w0.381: v1(67.56,13.34) 67.94,12.95 v1(70.23,12.95)
  TOP w0.762: v1(83.44,17.78) v1(83.44,16.76) 83.44,14.99 v1(83.82,14.61) 94.23,14.61 95,13.84 99.17,13.84 v1(99.19,13.82) v1(99.7,13.82) v1(100.21,13.82) 100.54,13.48 U6.8 101.08,11.06 107.98,4.17 v2(109.45,4.17)
  VCC w0.254: 31.37,57.25 31.37,61.62 32.21,62.46 v1(33.4,62.46)
  VCC w0.305: U15.1 U15.2
  VCC w0.381: 119.76,4.32 119.61,4.17 v2(109.45,4.17) ; v1(69.98,17.27) 70.89,18.18 83.03,18.18 v1(83.44,17.78) ; U15.1 120.5,2.18 128.8,2.18 J12.1 130.3,7.11 v2(130.18,7.24) 129.67,7.75 v1(127.13,7.75)
  VCC w0.635: 107.72,34.92 92.96,34.92 90.49,32.45 v2(87,32.45) ; v1(110.74,16.64) 109.35,18.03 v1(108.97,18.03) 104.13,18.03 103.91,18.25
  VCC w1.016: v1(99.19,13.82) v1(99.7,13.82) v1(100.21,13.82) 100.3,13.82 103.91,17.42 103.91,21.87 107.72,25.68 107.72,45.31 113.08,50.67 122.76,50.67 123.47,49.96
  BOTTOM w0.305: R54.2 R56.2 R57.2 ; v1(37.21,56.26) 37.34,56.13 R47.2 ; v1(25.02,56.26) 24.89,56.13 R42.2 ; R141.2 145.16,57.91 v1(145.03,58.04) ; U15.2 120.4,4.83 C195.2 C194.1 120.27,3.43 U15.1 ; R59.1 v1(83.44,17.78) ; R137.2 v1(145.03,68.07) ; R124.2 v1(127.13,7.75) R122.2 ; R161.2 v1(100.2,66.67) ; R138.2 v1(145.03,65.53) ; v1(33.4,62.46) 33.05,62.1 R81.1 ; R53.1 v1(83.44,16.76) ; R140.2 145.16,60.45 v1(145.03,60.58) ; R45.2 v1(31.24,56.77) ; R136.2 v1(145.03,70.61) ; U6.8 100.66,11.18 C60.1 ; v1(82.17,12.06) 82.55,12.45 R52.1 82.93,13.08 82.93,14.22 R55.1 v1(83.82,14.61) ; v1(110.74,16.64) 111.12,16.26 C160.1 R164.1 ; C96.1 49.91,62.36 v1(49.4,61.85) ; R135.2 v1(145.03,73.15) 146.81,74.93 C150.2 ; R28.2 v1(70.1,46.28) ; J12.1 130.18,3.81 130.18,5.21 ; U10.8 v1(69.98,17.27) 69.34,17.27 69.22,17.4 ; C150.2 C151.1 ; C150.2 149.61,75.06 U18.1 U18.2 ; 69.22,12.32 69.6,12.32 v1(70.23,12.95) 71.12,12.06 80.67,12.06 v1(80.8,12.19) ; R167.1 v1(108.97,18.03)
  BOTTOM w0.381: v1(48.64,62.23) R73.2 v1(47.88,63.12) 47.5,63.12 47.42,63.2 MQ1.2 v1(47.09,62.38) ; R57.2 v1(67.56,13.34) ; R96.2 v1(63.37,53.77)
  BOTTOM w0.508: v2(130.18,7.24) 130.18,5.21
  BOTTOM w0.635: D6.2 v2(87,32.45)
  vias: v1(57.53,52.32) v1(58.04,52.32) v1(99.72,53.21) v1(99.75,52.55) v1(100.23,53.21) v1(100.23,52.53) v1(100.74,53.21) v1(100.71,52.55) v1(123.8,48.72) v1(124.59,48.77) v1(125.22,48.84)
